# KiCad board panel2.kicad_pcb (continued)
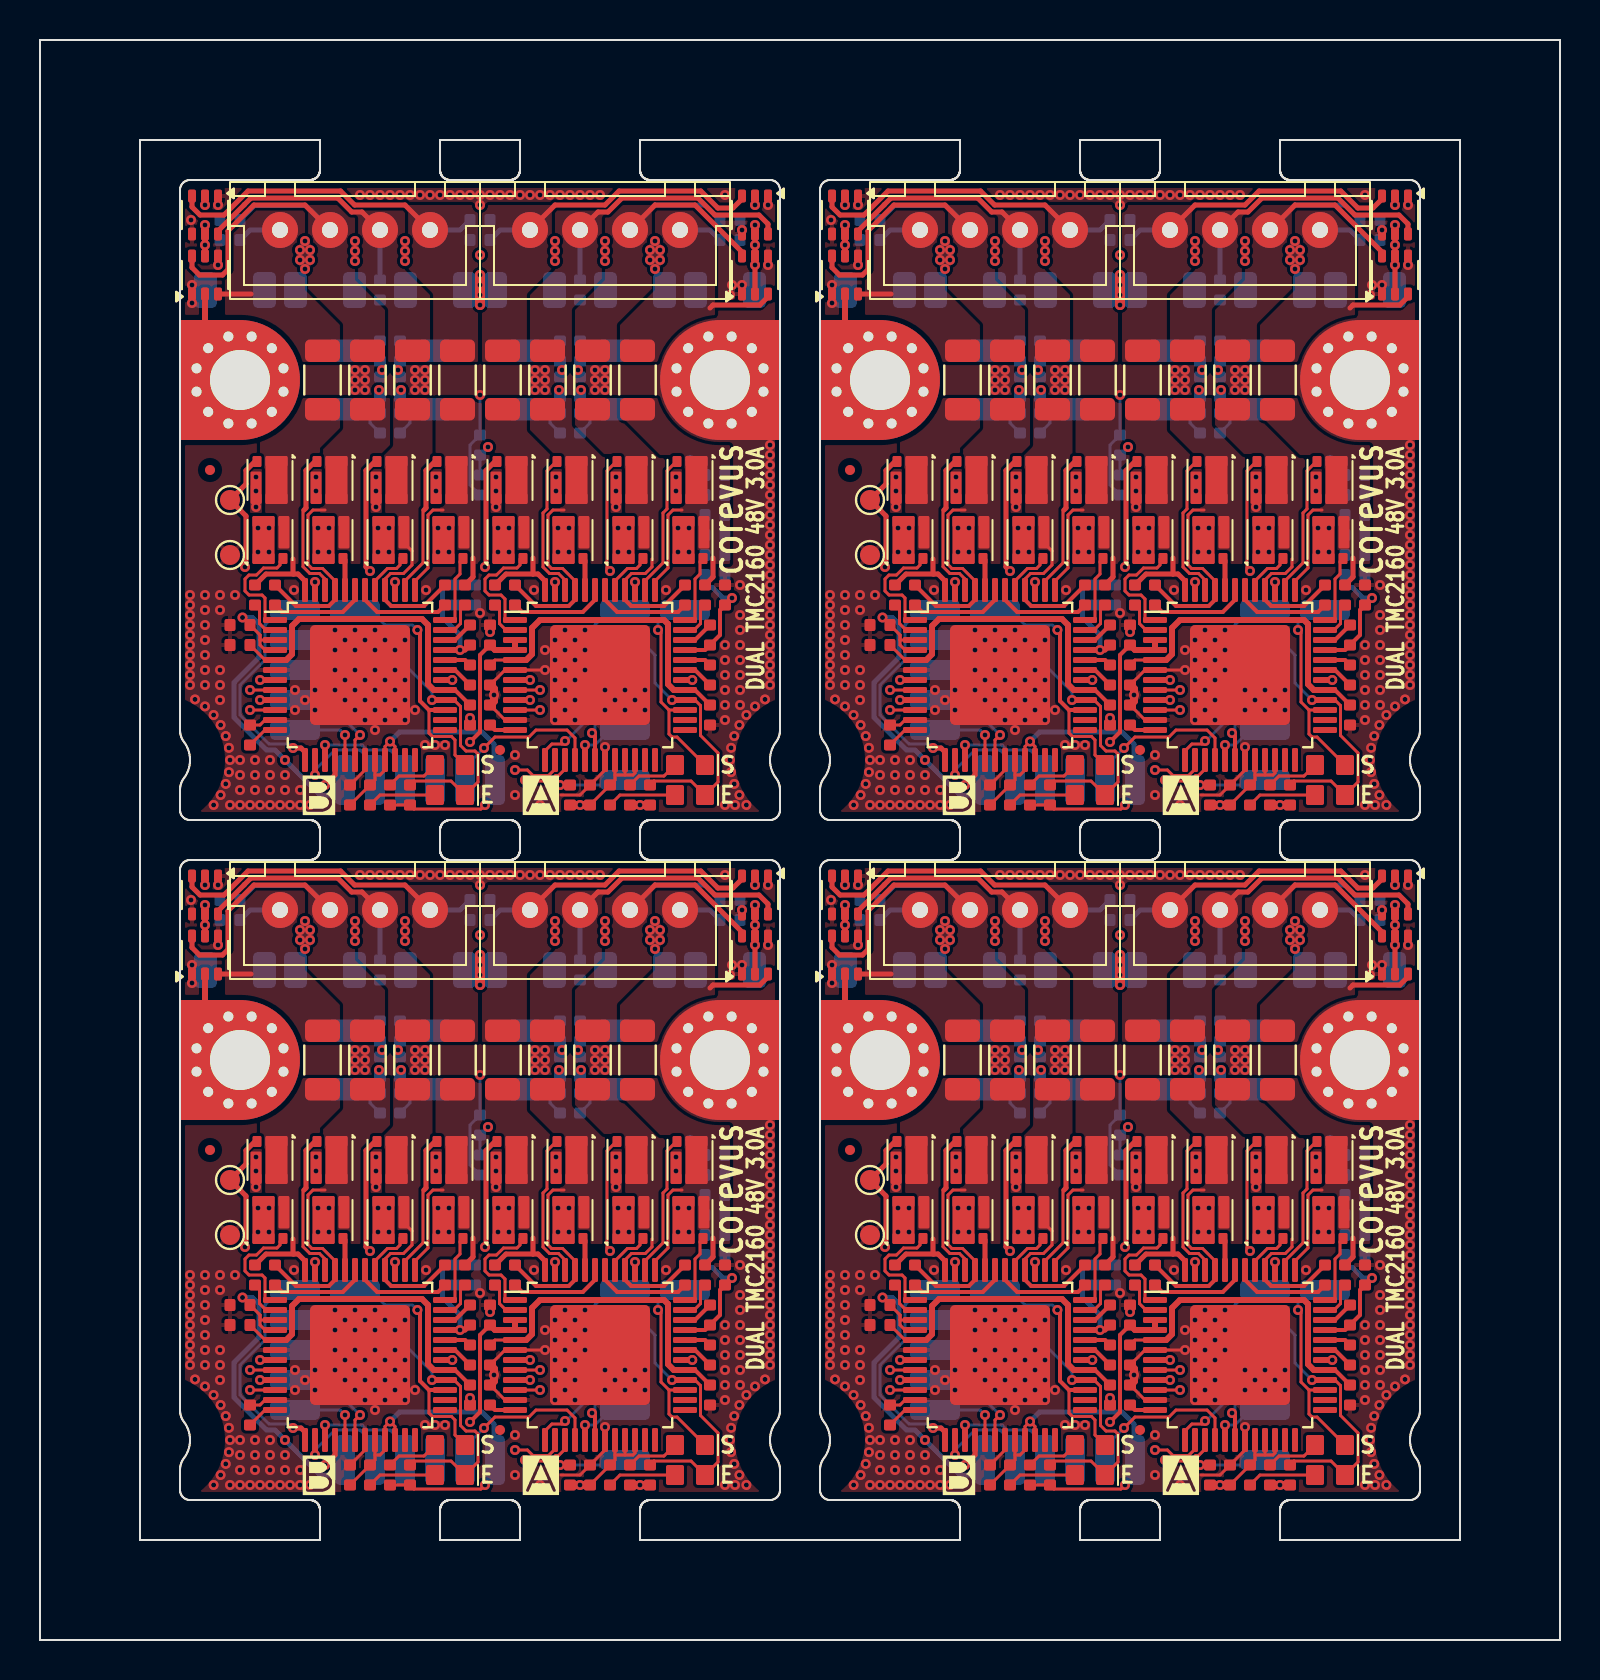
[diagram p0: board, top side]
## Placement (name value [footprint] x y rotation side) (continued)
R7#4  1kΩ  [0402R]  17.5 8.25 90 top
R8  47Ω  [0402R]  26 60.85 90 bottom
R8#2  47Ω  [0402R]  58 60.85 90 bottom
R8#3  47Ω  [0402R]  26 26.85 90 bottom
R8#4  47Ω  [0402R]  58 26.85 90 bottom
R9  47Ω  [0402R]  26 30.45 270 bottom
R9#2  47Ω  [0402R]  58 30.45 270 bottom
R9#3  47Ω  [0402R]  26 64.45 270 bottom
R9#4  47Ω  [0402R]  58 64.45 270 bottom
R10  50mΩ  [R_1206_3216Metric]  24.25 63 90 bottom
R10#2  50mΩ  [R_1206_3216Metric]  24.25 29 90 bottom
R10#3  50mΩ  [R_1206_3216Metric]  56.25 63 90 bottom
R10#4  50mΩ  [R_1206_3216Metric]  56.25 29 90 bottom
R11  47Ω  [0402R]  59 26.85 90 bottom
R11#2  47Ω  [0402R]  27 60.85 90 bottom
R11#3  47Ω  [0402R]  59 60.85 90 bottom
R11#4  47Ω  [0402R]  27 26.85 90 bottom
R12  47Ω  [0402R]  27 64.45 270 bottom
R12#2  47Ω  [0402R]  59 30.45 270 bottom
R12#3  47Ω  [0402R]  59 64.45 270 bottom
R12#4  47Ω  [0402R]  27 30.45 270 bottom
R13  50mΩ  [R_1206_3216Metric]  28.75 63 90 bottom
R13#2  50mΩ  [R_1206_3216Metric]  60.75 29 90 bottom
R13#3  50mΩ  [R_1206_3216Metric]  28.75 29 90 bottom
R13#4  50mΩ  [R_1206_3216Metric]  60.75 63 90 bottom
R14  47Ω  [0402R]  17 26.85 90 bottom
R14#2  47Ω  [0402R]  17 60.85 90 bottom
R14#3  47Ω  [0402R]  49 26.85 90 bottom
R14#4  47Ω  [0402R]  49 60.85 90 bottom
R15  47Ω  [0402R]  49 30.45 270 bottom
R15#2  47Ω  [0402R]  49 64.45 270 bottom
R15#3  47Ω  [0402R]  17 30.45 270 bottom
R15#4  47Ω  [0402R]  17 64.45 270 bottom
R16  1kΩ  [0402R]  61.5 42.25 90 top
R16#2  1kΩ  [0402R]  29.5 8.25 90 top
R16#3  1kΩ  [0402R]  29.5 42.25 90 top
R16#4  1kΩ  [0402R]  61.5 8.25 90 top
R17  50mΩ  [R_1206_3216Metric]  47.25 29 90 bottom
R17#2  50mΩ  [R_1206_3216Metric]  15.25 29 90 bottom
R17#3  50mΩ  [R_1206_3216Metric]  15.25 63 90 bottom
R17#4  50mΩ  [R_1206_3216Metric]  47.25 63 90 bottom
R18  50mΩ  [R_1206_3216Metric]  19.75 63 90 bottom
R18#2  50mΩ  [R_1206_3216Metric]  51.75 29 90 bottom
R18#3  50mΩ  [R_1206_3216Metric]  51.75 63 90 bottom
R18#4  50mΩ  [R_1206_3216Metric]  19.75 29 90 bottom
R19  47Ω  [0402R]  50 26.85 90 bottom
R19#2  47Ω  [0402R]  18 60.85 90 bottom
R19#3  47Ω  [0402R]  18 26.85 90 bottom
R19#4  47Ω  [0402R]  50 60.85 90 bottom
R20  4.7kΩ  [0402R]  58.5 42.25 270 top
R20#2  4.7kΩ  [0402R]  26.5 8.25 270 top
R20#3  4.7kΩ  [0402R]  58.5 8.25 270 top
R20#4  4.7kΩ  [0402R]  26.5 42.25 270 top
R21  47Ω  [0402R]  50 64.45 270 bottom
R21#2  47Ω  [0402R]  18 64.45 270 bottom
R21#3  47Ω  [0402R]  18 30.45 270 bottom
R21#4  47Ω  [0402R]  50 30.45 270 bottom
REF**  -  [BackScrew]  38 44 0 top
REF**#2  -  [BackScrew]  70 44 0 top
REF**#3  -  [BackScrew]  38 10 0 top
REF**#4  -  [BackScrew]  6 44 180 top
REF**#5  -  [BackScrew]  38 10 180 top
REF**#6  -  [BackScrew]  70 10 0 top
REF**#7  -  [BackScrew]  38 44 180 top
REF**#8  -  [BackScrew]  6 10 180 top
T1  DIAG  [LGA_Land_2.5mm]  15.75 17.5 270 bottom
T1#2  DIAG  [LGA_Land_2.5mm]  47.75 51.5 270 bottom
T1#3  DIAG  [LGA_Land_2.5mm]  15.75 51.5 270 bottom
T1#4  DIAG  [LGA_Land_2.5mm]  47.75 17.5 270 bottom
T2  CS0  [LGA_Land_2.5mm]  44.75 17.5 90 bottom
T2#2  CS0  [LGA_Land_2.5mm]  44.75 51.5 90 bottom
T2#3  CS0  [LGA_Land_2.5mm]  12.75 51.5 90 bottom
T2#4  CS0  [LGA_Land_2.5mm]  12.75 17.5 90 bottom
T3  12V  [LGA_Land_2.5mm]  47.25 9 0 bottom
T3#2  12V  [LGA_Land_2.5mm]  15.25 9 0 bottom
T3#3  12V  [LGA_Land_2.5mm]  47.25 43 0 bottom
T3#4  12V  [LGA_Land_2.5mm]  15.25 43 0 bottom
T4  SCK  [LGA_Land_2.5mm]  16.75 43 0 bottom
T4#2  SCK  [LGA_Land_2.5mm]  48.75 43 0 bottom
T4#3  SCK  [LGA_Land_2.5mm]  16.75 9 0 bottom
T4#4  SCK  [LGA_Land_2.5mm]  48.75 9 0 bottom
T5  GND  [LGA_Land_2.5mm]  51.75 43 0 bottom
T5#2  GND  [LGA_Land_2.5mm]  51.75 9 0 bottom
T5#3  GND  [LGA_Land_2.5mm]  19.75 9 0 bottom
T5#4  GND  [LGA_Land_2.5mm]  19.75 43 0 bottom
T6  SDI  [LGA_Land_2.5mm]  50.25 9 0 bottom
T6#2  SDI  [LGA_Land_2.5mm]  18.25 9 0 bottom
T6#3  SDI  [LGA_Land_2.5mm]  50.25 43 0 bottom
T6#4  SDI  [LGA_Land_2.5mm]  18.25 43 0 bottom
T7  SDO  [LGA_Land_2.5mm]  53.25 43 0 bottom
T7#2  SDO  [LGA_Land_2.5mm]  53.25 9 0 bottom
T7#3  SDO  [LGA_Land_2.5mm]  21.25 9 0 bottom
T7#4  SDO  [LGA_Land_2.5mm]  21.25 43 0 bottom
T8  VCC  [LGA_Land_2.5mm]  22.75 9 0 bottom
T8#2  VCC  [LGA_Land_2.5mm]  54.75 9 0 bottom
T8#3  VCC  [LGA_Land_2.5mm]  22.75 43 0 bottom
T8#4  VCC  [LGA_Land_2.5mm]  54.75 43 0 bottom
T9  Therm  [LGA_Land_2.5mm]  61.25 9 90 bottom
T9#2  Therm  [LGA_Land_2.5mm]  29.25 9 90 bottom
T9#3  Therm  [LGA_Land_2.5mm]  61.25 43 90 bottom
T9#4  Therm  [LGA_Land_2.5mm]  29.25 43 90 bottom
T10  CS0  [LGA_Land_2.5mm]  61.25 51.5 90 bottom
T10#2  CS0  [LGA_Land_2.5mm]  29.25 51.5 90 bottom
T10#3  CS0  [LGA_Land_2.5mm]  61.25 17.5 90 bottom
T10#4  CS0  [LGA_Land_2.5mm]  29.25 17.5 90 bottom
T11  STEP  [LGA_Land_2.5mm]  29.25 11.5 90 bottom
T11#2  STEP  [LGA_Land_2.5mm]  29.25 45.5 90 bottom
T11#3  STEP  [LGA_Land_2.5mm]  61.25 45.5 90 bottom
T11#4  STEP  [LGA_Land_2.5mm]  61.25 11.5 90 bottom
T12  GND  [LGA_Land_2.5mm]  29.25 47 90 bottom
T12#2  GND  [LGA_Land_2.5mm]  61.25 47 90 bottom
T12#3  GND  [LGA_Land_2.5mm]  61.25 13 90 bottom
T12#4  GND  [LGA_Land_2.5mm]  29.25 13 90 bottom
T13  DIR  [LGA_Land_2.5mm]  29.25 48.5 90 bottom
T13#2  DIR  [LGA_Land_2.5mm]  61.25 48.5 90 bottom
T13#3  DIR  [LGA_Land_2.5mm]  61.25 14.5 90 bottom
T13#4  DIR  [LGA_Land_2.5mm]  29.25 14.5 90 bottom
T14  EN  [LGA_Land_2.5mm]  61.25 16 90 bottom
T14#2  EN  [LGA_Land_2.5mm]  61.25 50 90 bottom
T14#3  EN  [LGA_Land_2.5mm]  29.25 50 90 bottom
T14#4  EN  [LGA_Land_2.5mm]  29.25 16 90 bottom
T15  STEP  [LGA_Land_2.5mm]  12.75 45.5 90 bottom
T15#2  STEP  [LGA_Land_2.5mm]  12.75 11.5 90 bottom
T15#3  STEP  [LGA_Land_2.5mm]  44.75 11.5 90 bottom
T15#4  STEP  [LGA_Land_2.5mm]  44.75 45.5 90 bottom
T16  GND  [LGA_Land_2.5mm]  44.75 47 90 bottom
T16#2  GND  [LGA_Land_2.5mm]  12.75 13 90 bottom
T16#3  GND  [LGA_Land_2.5mm]  44.75 13 90 bottom
T16#4  GND  [LGA_Land_2.5mm]  12.75 47 90 bottom
T17  DIAG  [LGA_Land_2.5mm]  32.25 51.5 270 bottom
T17#2  DIAG  [LGA_Land_2.5mm]  64.25 51.5 270 bottom
T17#3  DIAG  [LGA_Land_2.5mm]  64.25 17.5 270 bottom
T17#4  DIAG  [LGA_Land_2.5mm]  32.25 17.5 270 bottom
T18  DIR  [LGA_Land_2.5mm]  44.75 14.5 90 bottom
T18#2  DIR  [LGA_Land_2.5mm]  12.75 48.5 90 bottom
T18#3  DIR  [LGA_Land_2.5mm]  44.75 48.5 90 bottom
T18#4  DIR  [LGA_Land_2.5mm]  12.75 14.5 90 bottom
T19  EN  [LGA_Land_2.5mm]  12.75 16 90 bottom
T19#2  EN  [LGA_Land_2.5mm]  12.75 50 90 bottom
T19#3  EN  [LGA_Land_2.5mm]  44.75 50 90 bottom
T19#4  EN  [LGA_Land_2.5mm]  44.75 16 90 bottom
TH1  10kΩ 3950K  [0402R]  22 23.75 270 bottom
TH1#2  10kΩ 3950K  [0402R]  54 23.75 270 bottom
TH1#3  10kΩ 3950K  [0402R]  22 57.75 270 bottom
TH1#4  10kΩ 3950K  [0402R]  54 57.75 270 bottom
TP1  TestPoint  [TestPoint_Pad_D1.0mm]  41.5 20.25 0 top
TP1#2  TestPoint  [TestPoint_Pad_D1.0mm]  9.5 20.25 0 top
TP1#3  TestPoint  [TestPoint_Pad_D1.0mm]  9.5 54.25 0 top
TP1#4  TestPoint  [TestPoint_Pad_D1.0mm]  41.5 54.25 0 top
TP5  TestPoint  [TestPoint_Pad_D1.0mm]  41.5 23 0 top
TP5#2  TestPoint  [TestPoint_Pad_D1.0mm]  9.5 57 0 top
TP5#3  TestPoint  [TestPoint_Pad_D1.0mm]  9.5 23 0 top
TP5#4  TestPoint  [TestPoint_Pad_D1.0mm]  41.5 57 0 top
U1  TMC2160  [TMCx160]  60 14.25 0 top
U1#2  TMC2160  [TMCx160]  60 48.25 0 top
U1#3  TMC2160  [TMCx160]  28 14.25 0 top
U1#4  TMC2160  [TMCx160]  28 48.25 0 top
U2  TMC2160  [TMCx160]  48 14.25 0 top
U2#2  TMC2160  [TMCx160]  48 48.25 0 top
U2#3  TMC2160  [TMCx160]  16 14.25 0 top
U2#4  TMC2160  [TMCx160]  16 48.25 0 top

## Library data of the parts
D3 D3#2-D3#4 D4 D4#2-D4#4 D7 D7#2-D7#4 D8 D8#2-D8#4 = -: Datasheet: https://assets.nexperia.com/documents/data-sheet/BAV99_SER.pdf; Description: High-speed switching diodes, dual series, SOT-363
FB1 FB1#2-FB1#4 FB2 FB2#2-FB2#4 FB3 FB3#2-FB3#4 FB4 FB4#2-FB4#4 FB5 FB5#2-FB5#4 FB6 FB6#2-FB6#4 FB7 FB7#2-FB7#4 FB8 FB8#2-FB8#4 = -: Description: Ferrite bead, small symbol
FID1 FID1#2-FID1#4 FID2 FID2#2-FID2#4 FID3 FID3#2-FID3#4 FID4 FID4#2-FID4#4 = -: Description: Fiducial Marker
J1 J1#2-J1#4 J2 J2#2-J2#4 = -: Description: Generic connector, single row, 01x04, script generated (kicad-library-utils/schlib/autogen/connector/)
NT1 NT1#2-NT1#4 NT2 NT2#2-NT2#4 NT3 NT3#2-NT3#4 NT4 NT4#2-NT4#4 NT5 NT5#2-NT5#4 NT6 NT6#2-NT6#4 NT7 NT7#2-NT7#4 NT8 NT8#2-NT8#4 = -: Description: Net tie, 2 pins
Q1 Q1#2-Q1#4 Q2 Q2#2-Q2#4 Q3 Q3#2-Q3#4 Q4 Q4#2-Q4#4 Q5 Q5#2-Q5#4 Q6 Q6#2-Q6#4 Q7 Q7#2-Q7#4 Q8 Q8#2-Q8#4 Q9 Q9#2-Q9#4 Q10 Q10#2-Q10#4 Q11 Q11#2-Q11#4 Q12 Q12#2-Q12#4 Q13 Q13#2-Q13#4 Q14 Q14#2-Q14#4 Q15 Q15#2-Q15#4 Q16 Q16#2-Q16#4 = -: Datasheet: https://lcsc.com/product-detail/MOSFET_Diodes-Incorporated-DMT6016LFDF-7_C460205.html; Description: 60V N-channel Enhancement Mode MOSFET, 8.9A Id; LCSC Part: C460205
U1 U1#2-U1#4 U2 U2#2-U2#4 = -: Datasheet: https://www.trinamic.com/fileadmin/assets/Products/ICs_Documents/TMC2160A-datasheet_Rev1.06.pdf

## Footprints (pads in the part's own frame, mm; a bottom-side part is the same pattern mirrored in y, then rotated)
0402C
  rrect 0.55x0.6 smd: 1(-0.5,0) 2(0.5,0)
0402R
  rrect 0.55x0.6 smd: 1(-0.5,0) 2(0.5,0)
0603LED
  rrect 0.9x1 smd: 1(-0.75,0) 2(0.75,0)
C_1206_3216Metric
  rrect 1.15x1.8 smd: 1(-1.475,0) 2(1.475,0)
DMT6016LFDF
  rrect 0.45x0.55 smd: 1(-0.65,-0.925) 2(0,-0.925) 3(0.65,-0.925) 4(0.65,0.925) 5(0,0.925) 6(-0.65,0.925)
  rrect 0.55x1.625 smd: 7(0.7,0.388)
  rrect 1.1x2.4 smd: 8(-0.325,0)
Fiducial_0.5mm_Mask1mm
  round 0.5 smd: (0,0)
JST_XH_1x04
  oval 1.8x1.8 hole 0.8: 1(-3.75,0) 2(-1.25,0) 3(1.25,0) 4(3.75,0)
LGA_Land_2.5mm
  rrect 1x2.5 smd: 1(0,0)
MountingHole_M3_Driver_1
  round 0.8 hole 0.5: 1(-2.173,0.582) 1(-2.173,-0.582) 1(-1.591,1.591) 1(-1.591,-1.591) 1(-0.582,2.173) 1(-0.582,-2.173) 1(0.582,2.173) 1(0.582,-2.173) 1(1.591,1.591) 1(1.591,-1.591) 1(2.173,0.582) 1(2.173,-0.582)
  custom 6x6 hole 3: 1(0,0)
NetTie-2_SMD_Pad0.15mm
  custom 0.2x0.15 smd: 1(-0.125,0) 2(0.125,0)
R_1206_3216Metric
  rrect 1.125x1.75 smd: 1(-1.462,0) 2(1.462,0)
SOT-363_SC-70-6
  rrect 0.65x0.4 smd: 1(-0.95,0.65) 2(-0.95,0) 3(-0.95,-0.65) 4(0.95,-0.65) 5(0.95,0) 6(0.95,0.65)
TestPoint_Pad_D1.0mm
  round 1 smd: 1(0,0)
TMCx160
  custom 1.008x1.008 smd: (-1.688,1.688) (-1.688,0.562) (-1.688,-0.562) (-1.688,-1.688) (-0.562,1.688) (-0.562,0.562) (-0.562,-0.562) (-0.562,-1.688) (0.562,1.688) (0.562,0.562) (0.562,-0.562) (0.562,-1.688) (1.688,1.688) (1.688,0.562) (1.688,-0.562) (1.688,-1.688)
  rrect 1.2x0.3 smd: 1(-4.25,2.75) 2(-4.25,2.25) 3(-4.25,1.75) 4(-4.25,1.25) 5(-4.25,0.75) 6(-4.25,0.25) 7(-4.25,-0.25) 8(-4.25,-0.75) 9(-4.25,-1.25) 10(-4.25,-1.75) 11(-4.25,-2.25) 12(-4.25,-2.75) 25(4.25,-2.75) 26(4.25,-2.25) 27(4.25,-1.75) 28(4.25,-1.25) 29(4.25,-0.75) 30(4.25,-0.25) 31(4.25,0.25) 32(4.25,0.75) 33(4.25,1.25) 34(4.25,1.75) 35(4.25,2.25) 36(4.25,2.75)
  rrect 0.3x1.2 smd: 13(-2.75,-4.25) 14(-2.25,-4.25) 15(-1.75,-4.25) 16(-1.25,-4.25) 17(-0.75,-4.25) 18(-0.25,-4.25) 19(0.25,-4.25) 20(0.75,-4.25) 21(1.25,-4.25) 22(1.75,-4.25) 23(2.25,-4.25) 24(2.75,-4.25) 37(2.75,4.25) 38(2.25,4.25) 39(1.75,4.25) 40(1.25,4.25) 41(0.75,4.25) 42(0.25,4.25) 43(-0.25,4.25) 44(-0.75,4.25) 45(-1.25,4.25) 46(-1.75,4.25) 47(-2.25,4.25) 48(-2.75,4.25)
  rrect 5x5 smd: 49(0,0)

## Nets
Board_0-+12V: C6#2.1 C27#2.1 T3#4.1 U1#4.3 U1#4.4 U2#4.3 U2#4.4
Board_0-+48V: C1#4.2 C7#3.1 C12#3.1 C14.1 C15#2.1 C22.2 C28#3.1 C38.1 C39#4.1 C40#3.1 C42#4.1 C43#3.1 C44#4.1 C45#4.1 C46#2.1 C47#4.1 C48#4.1 C49.1 C50#4.1 D3#4.2 D3#4.5 D4#3.2 D4#3.5 D7.2 D7.5 D8#4.2 D8#4.5 H1#2.1 Q1#4.1 Q1#4.2 Q1#4.5 Q1#4.6 Q1#4.8 Q3.1 Q3.2 Q3.5 Q3.6 Q3.8 Q5#4.1 Q5#4.2 Q5#4.5 Q5#4.6 Q5#4.8 Q7#4.1 Q7#4.2 Q7#4.5 Q7#4.6 Q7#4.8 Q9#4.1 Q9#4.2 Q9#4.5 Q9#4.6 Q9#4.8 Q11.1 Q11.2 Q11.5 Q11.6 Q11.8 Q13#2.1 Q13#2.2 Q13#2.5 Q13#2.6 Q13#2.8 Q15#2.1 Q15#2.2 Q15#2.5 Q15#2.6 Q15#2.8 U1#4.33 U2#4.33
Board_0-/_{MA}A1: C10#3.2 FB2#4.2 Q5#4.4 Q5#4.7 Q6#4.1 Q6#4.2 Q6#4.5 Q6#4.6 Q6#4.8 U1#4.40
Board_0-/_{MA}A1': C17.2 D4#3.6 FB2#4.1 J1.3
Board_0-/_{MA}A2: C11.2 FB1#3.2 Q7#4.4 Q7#4.7 Q8#2.1 Q8#2.2 Q8#2.5 Q8#2.6 Q8#2.8 U1#4.37
Board_0-/_{MA}A2': C16#2.2 D4#3.3 FB1#3.1 J1.4
Board_0-/_{MA}B1: C8.2 FB4#3.2 Q1#4.4 Q1#4.7 Q2#4.1 Q2#4.2 Q2#4.5 Q2#4.6 Q2#4.8 U1#4.48
Board_0-/_{MA}B1': C19#3.2 D3#4.3 FB4#3.1 J1.1
Board_0-/_{MA}B2: C9#3.2 FB3#3.2 Q3.4 Q3.7 Q4#3.1 Q4#3.2 Q4#3.5 Q4#3.6 Q4#3.8 U1#4.45
Board_0-/_{MA}B2': C18#4.2 D3#4.6 FB3#3.1 J1.2
Board_0-/_{MA}Dir: T13.1 U1#4.18
Board_0-/_{MA}HA1: Q5#4.3 U1#4.41
Board_0-/_{MA}HA2: Q7#4.3 U1#4.36
Board_0-/_{MA}HB1: Q1#4.3 U1#4.1
Board_0-/_{MA}HB2: Q3.3 U1#4.44
Board_0-/_{MA}LA1: Q6#4.3 U1#4.39
Board_0-/_{MA}LA2: Q8#2.3 U1#4.38
Board_0-/_{MA}LB1: Q2#4.3 U1#4.47
Board_0-/_{MA}LB2: Q4#3.3 U1#4.46
Board_0-/_{MA}SRAH: C21.2 R11#2.2 U1#4.8
Board_0-/_{MA}SRAL: C21.1 R12.2 U1#4.7
Board_0-/_{MA}SRBH: C20#2.2 R8.2 U1#4.9
Board_0-/_{MA}SRBL: C20#2.1 R9#3.2 U1#4.10
Board_0-/_{MA}Stall: D2#3.1 T17.1 U1#4.27
Board_0-/_{MA}Step: T11#2.1 U1#4.17
Board_0-/_{MA}~{CS}: T10#2.1 U1#4.13
Board_0-/_{MA}~{En}: D1#4.1 R2#3.2 T14#3.1 U1#4.28
Board_0-/_{MB}A1: C31#3.2 FB6#3.2 Q13#2.4 Q13#2.7 Q14.1 Q14.2 Q14.5 Q14.6 Q14.8 U2#4.40
Board_0-/_{MB}A1': C35.2 D7.6 FB6#3.1 J2#2.3
Board_0-/_{MB}A2: C32#4.2 FB5#4.2 Q15#2.4 Q15#2.7 Q16#3.1 Q16#3.2 Q16#3.5 Q16#3.6 Q16#3.8 U2#4.37
Board_0-/_{MB}A2': C34#4.2 D7.3 FB5#4.1 J2#2.4
Board_0-/_{MB}B1: C29#4.2 FB8.2 Q9#4.4 Q9#4.7 Q10.1 Q10.2 Q10.5 Q10.6 Q10.8 U2#4.48
Board_0-/_{MB}B1': C37.2 D8#4.3 FB8.1 J2#2.1
Board_0-/_{MB}B2: C30#2.2 FB7#2.2 Q11.4 Q11.7 Q12#4.1 Q12#4.2 Q12#4.5 Q12#4.6 Q12#4.8 U2#4.45
Board_0-/_{MB}B2': C36.2 D8#4.6 FB7#2.1 J2#2.2
Board_0-/_{MB}Dir: T18#2.1 U2#4.18
Board_0-/_{MB}HA1: Q13#2.3 U2#4.41
Board_0-/_{MB}HA2: Q15#2.3 U2#4.36
Board_0-/_{MB}HB1: Q9#4.3 U2#4.1
Board_0-/_{MB}HB2: Q11.3 U2#4.44
Board_0-/_{MB}LA1: Q14.3 U2#4.39
Board_0-/_{MB}LA2: Q16#3.3 U2#4.38
Board_0-/_{MB}LB1: Q10.3 TP5#2.1 U2#4.47
Board_0-/_{MB}LB2: Q12#4.3 U2#4.46
Board_0-/_{MB}SRAH: C41#2.2 R19#2.2 U2#4.8
Board_0-/_{MB}SRAL: C41#2.1 R21#2.2 U2#4.7
Board_0-/_{MB}SRBH: C33#4.2 R14#2.2 U2#4.9
Board_0-/_{MB}SRBL: C33#4.1 R15#4.2 U2#4.10
Board_0-/_{MB}Stall: D6#3.1 T1#3.1 U2#4.27
Board_0-/_{MB}Step: T15.1 U2#4.17
Board_0-/_{MB}~{CS}: T2#3.1 U2#4.13
Board_0-/_{MB}~{En}: D5.1 R4.2 T19#2.1 U2#4.28
Board_0-/SCK: T4.1 U1#4.14 U2#4.14
Board_0-/SDI: T6#4.1 U1#4.15 U2#4.15
Board_0-/SDO: T7#4.1 U1#4.16 U2#4.16
Board_0-/THERM: C13#3.1 R20#4.1 T9#4.1 TH1#3.1
Board_0-GND: C3#2.1 C4#3.1 C5.1 C6#2.2 C7#3.2 C12#3.2 C13#3.2 C14.2 C15#2.2 C16#2.1 C17.1 C18#4.1 C19#3.1 C24.1 C25#2.1 C26#4.1 C27#2.2 C28#3.2 C34#4.1 C35.1 C36.1 C37.1 C38.2 C39#4.2 C40#3.2 C42#4.2 C43#3.2 C44#4.2 C45#4.2 C46#2.2 C47#4.2 C48#4.2 C49.2 C50#4.2 D3#4.1 D3#4.4 D4#3.1 D4#3.4 D7.1 D7.4 D8#4.1 D8#4.4 H2#2.1 NT2#3.2 NT4#2.1 NT6.2 NT8.1 R3#3.2 R5#4.2 R10.2 R13.2 R17#3.2 R18.2 T5#4.1 T12.1 T16#4.1 TH1#3.2 TP1#3.1 U1#4.6 U1#4.11 U1#4.19 U1#4.30 U1#4.49 U2#4.6 U2#4.11 U2#4.19 U2#4.30 U2#4.49
Board_0-Net-(D1-A): D1#4.2 R1#4.2
Board_0-Net-(D2-A): D2#3.2 R16#3.2
Board_0-Net-(D5-A): D5.2 R6#3.2
Board_0-Net-(D6-A): D6#3.2 R7#2.2
Board_0-Net-(NT1-Pad1): NT1#4.1 R8.1
Board_0-Net-(NT1-Pad2): NT1#4.2 Q2#4.4 Q2#4.7 Q4#3.4 Q4#3.7 R10.1
Board_0-Net-(NT2-Pad1): NT2#3.1 R9#3.1
Board_0-Net-(NT3-Pad1): NT3.1 Q6#4.4 Q6#4.7 Q8#2.4 Q8#2.7 R13.1
Board_0-Net-(NT3-Pad2): NT3.2 R11#2.1
Board_0-Net-(NT4-Pad2): NT4#2.2 R12.1
Board_0-Net-(NT5-Pad1): NT5#2.1 R14#2.1
Board_0-Net-(NT5-Pad2): NT5#2.2 Q10.4 Q10.7 Q12#4.4 Q12#4.7 R17#3.1
Board_0-Net-(NT6-Pad1): NT6.1 R15#4.1
Board_0-Net-(NT7-Pad1): NT7#4.1 Q14.4 Q14.7 Q16#3.4 Q16#3.7 R18.1
Board_0-Net-(NT7-Pad2): NT7#4.2 R19#2.1
Board_0-Net-(NT8-Pad2): NT8.2 R21#2.1
Board_0-Net-(U1-5VOUT): C4#3.2 C5.2 U1#4.5 U1#4.29
Board_0-Net-(U1-CA1): C10#3.1 U1#4.42
Board_0-Net-(U1-CA2): C11.1 U1#4.35
Board_0-Net-(U1-CB1): C8.1 U1#4.2
Board_0-Net-(U1-CB2): C9#3.1 U1#4.43
Board_0-Net-(U1-CLK): R3#3.1 U1#4.12
Board_0-Net-(U1-CPI): C2#2.2 U1#4.32
Board_0-Net-(U1-CPO): C2#2.1 U1#4.31
Board_0-Net-(U1-VCP): C1#4.1 U1#4.34
Board_0-Net-(U2-5VOUT): C24.2 C25#2.2 U2#4.5 U2#4.29
Board_0-Net-(U2-CA1): C31#3.1 U2#4.42
Board_0-Net-(U2-CA2): C32#4.1 U2#4.35
Board_0-Net-(U2-CB1): C29#4.1 U2#4.2
Board_0-Net-(U2-CB2): C30#2.1 U2#4.43
Board_0-Net-(U2-CLK): R5#4.1 U2#4.12
Board_0-Net-(U2-CPI): C23.2 U2#4.32
Board_0-Net-(U2-CPO): C23.1 U2#4.31
Board_0-Net-(U2-VCP): C22.1 U2#4.34
Board_0-unconnected-(U1-DCEN_CFG4-Pad23): U1#4.23
Board_0-unconnected-(U1-DCIN_CFG5-Pad24): U1#4.24
Board_0-unconnected-(U1-DCO_CFG6-Pad25): U1#4.25
Board_0-unconnected-(U1-DIAG0-Pad26): U1#4.26
Board_0-unconnected-(U2-DCEN_CFG4-Pad23): U2#4.23
Board_0-unconnected-(U2-DCIN_CFG5-Pad24): U2#4.24
Board_0-unconnected-(U2-DCO_CFG6-Pad25): U2#4.25
Board_0-unconnected-(U2-DIAG0-Pad26): U2#4.26
Board_0-VCC: C3#2.2 C26#4.2 R1#4.1 R2#3.1 R4.1 R6#3.1 R7#2.1 R16#3.1 R20#4.2 T8#3.1 U1#4.20 U1#4.21 U1#4.22 U2#4.20 U2#4.21 U2#4.22
Board_1-+12V: C6#4.1 C27#4.1 T3#3.1 U1#2.3 U1#2.4 U2#2.3 U2#2.4
Board_1-+48V: C1.2 C7#4.1 C12#2.1 C14#2.1 C15#4.1 C22#2.2 C28#2.1 C38#2.1 C39#3.1 C40.1 C42.1 C43.1 C44#3.1 C45.1 C46#4.1 C47#3.1 C48.1 C49#2.1 C50#2.1 D3#2.2 D3#2.5 D4.2 D4.5 D7#3.2 D7#3.5 D8.2 D8.5 H1#3.1 Q1.1 Q1.2 Q1.5 Q1.6 Q1.8 Q3#4.1 Q3#4.2 Q3#4.5 Q3#4.6 Q3#4.8 Q5#2.1 Q5#2.2 Q5#2.5 Q5#2.6 Q5#2.8 Q7.1 Q7.2 Q7.5 Q7.6 Q7.8 Q9#3.1 Q9#3.2 Q9#3.5 Q9#3.6 Q9#3.8 Q11#4.1 Q11#4.2 Q11#4.5 Q11#4.6 Q11#4.8 Q13#3.1 Q13#3.2 Q13#3.5 Q13#3.6 Q13#3.8 Q15#4.1 Q15#4.2 Q15#4.5 Q15#4.6 Q15#4.8 U1#2.33 U2#2.33
Board_1-/_{MA}A1: C10.2 FB2#2.2 Q5#2.4 Q5#2.7 Q6#3.1 Q6#3.2 Q6#3.5 Q6#3.6 Q6#3.8 U1#2.40
Board_1-/_{MA}A1': C17#3.2 D4.6 FB2#2.1 J1#3.3
Board_1-/_{MA}A2: C11#2.2 FB1#2.2 Q7.4 Q7.7 Q8.1 Q8.2 Q8.5 Q8.6 Q8.8 U1#2.37
Board_1-/_{MA}A2': C16.2 D4.3 FB1#2.1 J1#3.4
Board_1-/_{MA}B1: C8#3.2 FB4.2 Q1.4 Q1.7 Q2#3.1 Q2#3.2 Q2#3.5 Q2#3.6 Q2#3.8 U1#2.48
Board_1-/_{MA}B1': C19.2 D3#2.3 FB4.1 J1#3.1
Board_1-/_{MA}B2: C9.2 FB3#2.2 Q3#4.4 Q3#4.7 Q4#4.1 Q4#4.2 Q4#4.5 Q4#4.6 Q4#4.8 U1#2.45
Board_1-/_{MA}B2': C18#3.2 D3#2.6 FB3#2.1 J1#3.2
Board_1-/_{MA}Dir: T13#2.1 U1#2.18
Board_1-/_{MA}HA1: Q5#2.3 U1#2.41
Board_1-/_{MA}HA2: Q7.3 U1#2.36
Board_1-/_{MA}HB1: Q1.3 U1#2.1
Board_1-/_{MA}HB2: Q3#4.3 U1#2.44
Board_1-/_{MA}LA1: Q6#3.3 U1#2.39
Board_1-/_{MA}LA2: Q8.3 U1#2.38
Board_1-/_{MA}LB1: Q2#3.3 U1#2.47
Board_1-/_{MA}LB2: Q4#4.3 U1#2.46
Board_1-/_{MA}SRAH: C21#2.2 R11#3.2 U1#2.8
Board_1-/_{MA}SRAL: C21#2.1 R12#3.2 U1#2.7
Board_1-/_{MA}SRBH: C20#4.2 R8#2.2 U1#2.9
Board_1-/_{MA}SRBL: C20#4.1 R9#4.2 U1#2.10
Board_1-/_{MA}Stall: D2.1 T17#2.1 U1#2.27
Board_1-/_{MA}Step: T11#3.1 U1#2.17
Board_1-/_{MA}~{CS}: T10.1 U1#2.13
Board_1-/_{MA}~{En}: D1#2.1 R2#2.2 T14#2.1 U1#2.28
Board_1-/_{MB}A1: C31#4.2 FB6#4.2 Q13#3.4 Q13#3.7 Q14#2.1 Q14#2.2 Q14#2.5 Q14#2.6 Q14#2.8 U2#2.40
Board_1-/_{MB}A1': C35#3.2 D7#3.6 FB6#4.1 J2.3
Board_1-/_{MB}A2: C32.2 FB5#3.2 Q15#4.4 Q15#4.7 Q16#4.1 Q16#4.2 Q16#4.5 Q16#4.6 Q16#4.8 U2#2.37
Board_1-/_{MB}A2': C34#2.2 D7#3.3 FB5#3.1 J2.4
Board_1-/_{MB}B1: C29.2 FB8#4.2 Q9#3.4 Q9#3.7 Q10#3.1 Q10#3.2 Q10#3.5 Q10#3.6 Q10#3.8 U2#2.48
Board_1-/_{MB}B1': C37#3.2 D8.3 FB8#4.1 J2.1
Board_1-/_{MB}B2: C30#3.2 FB7.2 Q11#4.4 Q11#4.7 Q12.1 Q12.2 Q12.5 Q12.6 Q12.8 U2#2.45
Board_1-/_{MB}B2': C36#3.2 D8.6 FB7.1 J2.2
Board_1-/_{MB}Dir: T18#3.1 U2#2.18
Board_1-/_{MB}HA1: Q13#3.3 U2#2.41
Board_1-/_{MB}HA2: Q15#4.3 U2#2.36
Board_1-/_{MB}HB1: Q9#3.3 U2#2.1
Board_1-/_{MB}HB2: Q11#4.3 U2#2.44
Board_1-/_{MB}LA1: Q14#2.3 U2#2.39
Board_1-/_{MB}LA2: Q16#4.3 U2#2.38
Board_1-/_{MB}LB1: Q10#3.3 TP5#4.1 U2#2.47
Board_1-/_{MB}LB2: Q12.3 U2#2.46
Board_1-/_{MB}SRAH: C41#4.2 R19#4.2 U2#2.8
Board_1-/_{MB}SRAL: C41#4.1 R21.2 U2#2.7
Board_1-/_{MB}SRBH: C33#3.2 R14#4.2 U2#2.9
Board_1-/_{MB}SRBL: C33#3.1 R15#2.2 U2#2.10
Board_1-/_{MB}Stall: D6#4.1 T1#2.1 U2#2.27
Board_1-/_{MB}Step: T15#4.1 U2#2.17
Board_1-/_{MB}~{CS}: T2#2.1 U2#2.13
Board_1-/_{MB}~{En}: D5#4.1 R4#3.2 T19#3.1 U2#2.28
Board_1-/SCK: T4#2.1 U1#2.14 U2#2.14
Board_1-/SDI: T6#3.1 U1#2.15 U2#2.15
Board_1-/SDO: T7.1 U1#2.16 U2#2.16
Board_1-/THERM: C13#4.1 R20.1 T9#3.1 TH1#4.1
Board_1-GND: C3.1 C4.1 C5#3.1 C6#4.2 C7#4.2 C12#2.2 C13#4.2 C14#2.2 C15#4.2 C16.1 C17#3.1 C18#3.1 C19.1 C24#3.1 C25#3.1 C26#2.1 C27#4.2 C28#2.2 C34#2.1 C35#3.1 C36#3.1 C37#3.1 C38#2.2 C39#3.2 C40.2 C42.2 C43.2 C44#3.2 C45.2 C46#4.2 C47#3.2 C48.2 C49#2.2 C50#2.2 D3#2.1 D3#2.4 D4.1 D4.4 D7#3.1 D7#3.4 D8.1 D8.4 H2#3.1 NT2#2.2 NT4#3.1 NT6#4.2 NT8#3.1 R3.2 R5#2.2 R10#3.2 R13#4.2 R17#4.2 R18#3.2 T5.1 T12#2.1 T16.1 TH1#4.2 TP1#4.1 U1#2.6 U1#2.11 U1#2.19 U1#2.30 U1#2.49 U2#2.6 U2#2.11 U2#2.19 U2#2.30 U2#2.49
Board_1-Net-(D1-A): D1#2.2 R1#2.2
Board_1-Net-(D2-A): D2.2 R16.2
Board_1-Net-(D5-A): D5#4.2 R6#2.2
Board_1-Net-(D6-A): D6#4.2 R7#3.2
Board_1-Net-(NT1-Pad1): NT1#3.1 R8#2.1
Board_1-Net-(NT1-Pad2): NT1#3.2 Q2#3.4 Q2#3.7 Q4#4.4 Q4#4.7 R10#3.1
Board_1-Net-(NT2-Pad1): NT2#2.1 R9#4.1
Board_1-Net-(NT3-Pad1): NT3#4.1 Q6#3.4 Q6#3.7 Q8.4 Q8.7 R13#4.1
Board_1-Net-(NT3-Pad2): NT3#4.2 R11#3.1
Board_1-Net-(NT4-Pad2): NT4#3.2 R12#3.1
Board_1-Net-(NT5-Pad1): NT5#4.1 R14#4.1
Board_1-Net-(NT5-Pad2): NT5#4.2 Q10#3.4 Q10#3.7 Q12.4 Q12.7 R17#4.1
Board_1-Net-(NT6-Pad1): NT6#4.1 R15#2.1
Board_1-Net-(NT7-Pad1): NT7.1 Q14#2.4 Q14#2.7 Q16#4.4 Q16#4.7 R18#3.1
Board_1-Net-(NT7-Pad2): NT7.2 R19#4.1
Board_1-Net-(NT8-Pad2): NT8#3.2 R21.1
Board_1-Net-(U1-5VOUT): C4.2 C5#3.2 U1#2.5 U1#2.29
Board_1-Net-(U1-CA1): C10.1 U1#2.42
Board_1-Net-(U1-CA2): C11#2.1 U1#2.35
Board_1-Net-(U1-CB1): C8#3.1 U1#2.2
Board_1-Net-(U1-CB2): C9.1 U1#2.43
Board_1-Net-(U1-CLK): R3.1 U1#2.12
Board_1-Net-(U1-CPI): C2#3.2 U1#2.32
Board_1-Net-(U1-CPO): C2#3.1 U1#2.31
Board_1-Net-(U1-VCP): C1.1 U1#2.34
Board_1-Net-(U2-5VOUT): C24#3.2 C25#3.2 U2#2.5 U2#2.29
Board_1-Net-(U2-CA1): C31#4.1 U2#2.42
Board_1-Net-(U2-CA2): C32.1 U2#2.35
Board_1-Net-(U2-CB1): C29.1 U2#2.2
Board_1-Net-(U2-CB2): C30#3.1 U2#2.43
Board_1-Net-(U2-CLK): R5#2.1 U2#2.12
Board_1-Net-(U2-CPI): C23#3.2 U2#2.32
Board_1-Net-(U2-CPO): C23#3.1 U2#2.31
Board_1-Net-(U2-VCP): C22#2.1 U2#2.34
Board_1-unconnected-(U1-DCEN_CFG4-Pad23): U1#2.23
Board_1-unconnected-(U1-DCIN_CFG5-Pad24): U1#2.24
Board_1-unconnected-(U1-DCO_CFG6-Pad25): U1#2.25
Board_1-unconnected-(U1-DIAG0-Pad26): U1#2.26
Board_1-unconnected-(U2-DCEN_CFG4-Pad23): U2#2.23
Board_1-unconnected-(U2-DCIN_CFG5-Pad24): U2#2.24
Board_1-unconnected-(U2-DCO_CFG6-Pad25): U2#2.25
Board_1-unconnected-(U2-DIAG0-Pad26): U2#2.26
Board_1-VCC: C3.2 C26#2.2 R1#2.1 R2#2.1 R4#3.1 R6#2.1 R7#3.1 R16.1 R20.2 T8#4.1 U1#2.20 U1#2.21 U1#2.22 U2#2.20 U2#2.21 U2#2.22
Board_2-+12V: C6.1 C27#3.1 T3#2.1 U1#3.3 U1#3.4 U2#3.3 U2#3.4
Board_2-+48V: C1#2.2 C7.1 C12.1 C14#4.1 C15#3.1 C22#3.2 C28#4.1 C38#4.1 C39#2.1 C40#4.1 C42#2.1 C43#2.1 C44#2.1 C45#3.1 C46#3.1 C47.1 C48#2.1 C49#4.1 C50.1 D3.2 D3.5 D4#2.2 D4#2.5 D7#2.2 D7#2.5 D8#2.2 D8#2.5 H1#4.1 Q1#2.1 Q1#2.2 Q1#2.5 Q1#2.6 Q1#2.8 Q3#3.1 Q3#3.2 Q3#3.5 Q3#3.6 Q3#3.8 Q5.1 Q5.2 Q5.5 Q5.6 Q5.8 Q7#2.1 Q7#2.2 Q7#2.5 Q7#2.6 Q7#2.8 Q9.1 Q9.2 Q9.5 Q9.6 Q9.8 Q11#2.1 Q11#2.2 Q11#2.5 Q11#2.6 Q11#2.8 Q13#4.1 Q13#4.2 Q13#4.5 Q13#4.6 Q13#4.8 Q15#3.1 Q15#3.2 Q15#3.5 Q15#3.6 Q15#3.8 U1#3.33 U2#3.33
Board_2-/_{MA}A1: C10#4.2 FB2.2 Q5.4 Q5.7 Q6#2.1 Q6#2.2 Q6#2.5 Q6#2.6 Q6#2.8 U1#3.40
Board_2-/_{MA}A1': C17#2.2 D4#2.6 FB2.1 J1#2.3
Board_2-/_{MA}A2: C11#3.2 FB1#4.2 Q7#2.4 Q7#2.7 Q8#4.1 Q8#4.2 Q8#4.5 Q8#4.6 Q8#4.8 U1#3.37
Board_2-/_{MA}A2': C16#4.2 D4#2.3 FB1#4.1 J1#2.4
Board_2-/_{MA}B1: C8#2.2 FB4#4.2 Q1#2.4 Q1#2.7 Q2#2.1 Q2#2.2 Q2#2.5 Q2#2.6 Q2#2.8 U1#3.48
Board_2-/_{MA}B1': C19#4.2 D3.3 FB4#4.1 J1#2.1
Board_2-/_{MA}B2: C9#4.2 FB3.2 Q3#3.4 Q3#3.7 Q4.1 Q4.2 Q4.5 Q4.6 Q4.8 U1#3.45
Board_2-/_{MA}B2': C18#2.2 D3.6 FB3.1 J1#2.2
Board_2-/_{MA}Dir: T13#4.1 U1#3.18
Board_2-/_{MA}HA1: Q5.3 U1#3.41
Board_2-/_{MA}HA2: Q7#2.3 U1#3.36
Board_2-/_{MA}HB1: Q1#2.3 U1#3.1
Board_2-/_{MA}HB2: Q3#3.3 U1#3.44
Board_2-/_{MA}LA1: Q6#2.3 U1#3.39
Board_2-/_{MA}LA2: Q8#4.3 U1#3.38
Board_2-/_{MA}LB1: Q2#2.3 U1#3.47
Board_2-/_{MA}LB2: Q4.3 U1#3.46
Board_2-/_{MA}SRAH: C21#4.2 R11#4.2 U1#3.8
Board_2-/_{MA}SRAL: C21#4.1 R12#4.2 U1#3.7
Board_2-/_{MA}SRBH: C20.2 R8#3.2 U1#3.9
Board_2-/_{MA}SRBL: C20.1 R9.2 U1#3.10
Board_2-/_{MA}Stall: D2#2.1 T17#4.1 U1#3.27
Board_2-/_{MA}Step: T11.1 U1#3.17
Board_2-/_{MA}~{CS}: T10#4.1 U1#3.13
Board_2-/_{MA}~{En}: D1#3.1 R2.2 T14#4.1 U1#3.28
Board_2-/_{MB}A1: C31.2 FB6.2 Q13#4.4 Q13#4.7 Q14#3.1 Q14#3.2 Q14#3.5 Q14#3.6 Q14#3.8 U2#3.40
Board_2-/_{MB}A1': C35#2.2 D7#2.6 FB6.1 J2#4.3
Board_2-/_{MB}A2: C32#3.2 FB5.2 Q15#3.4 Q15#3.7 Q16#2.1 Q16#2.2 Q16#2.5 Q16#2.6 Q16#2.8 U2#3.37
Board_2-/_{MB}A2': C34#3.2 D7#2.3 FB5.1 J2#4.4
Board_2-/_{MB}B1: C29#3.2 FB8#3.2 Q9.4 Q9.7 Q10#4.1 Q10#4.2 Q10#4.5 Q10#4.6 Q10#4.8 U2#3.48
Board_2-/_{MB}B1': C37#2.2 D8#2.3 FB8#3.1 J2#4.1
Board_2-/_{MB}B2: C30#4.2 FB7#4.2 Q11#2.4 Q11#2.7 Q12#3.1 Q12#3.2 Q12#3.5 Q12#3.6 Q12#3.8 U2#3.45
Board_2-/_{MB}B2': C36#2.2 D8#2.6 FB7#4.1 J2#4.2
Board_2-/_{MB}Dir: T18#4.1 U2#3.18
Board_2-/_{MB}HA1: Q13#4.3 U2#3.41
Board_2-/_{MB}HA2: Q15#3.3 U2#3.36
Board_2-/_{MB}HB1: Q9.3 U2#3.1
Board_2-/_{MB}HB2: Q11#2.3 U2#3.44
Board_2-/_{MB}LA1: Q14#3.3 U2#3.39
Board_2-/_{MB}LA2: Q16#2.3 U2#3.38
Board_2-/_{MB}LB1: Q10#4.3 TP5#3.1 U2#3.47
Board_2-/_{MB}LB2: Q12#3.3 U2#3.46
Board_2-/_{MB}SRAH: C41#3.2 R19#3.2 U2#3.8
Board_2-/_{MB}SRAL: C41#3.1 R21#3.2 U2#3.7
Board_2-/_{MB}SRBH: C33.2 R14.2 U2#3.9
Board_2-/_{MB}SRBL: C33.1 R15#3.2 U2#3.10
Board_2-/_{MB}Stall: D6.1 T1.1 U2#3.27
Board_2-/_{MB}Step: T15#2.1 U2#3.17
Board_2-/_{MB}~{CS}: T2#4.1 U2#3.13
Board_2-/_{MB}~{En}: D5#3.1 R4#4.2 T19.1 U2#3.28
Board_2-/SCK: T4#3.1 U1#3.14 U2#3.14
Board_2-/SDI: T6#2.1 U1#3.15 U2#3.15
Board_2-/SDO: T7#3.1 U1#3.16 U2#3.16
Board_2-/THERM: C13.1 R20#2.1 T9#2.1 TH1.1
Board_2-GND: C3#4.1 C4#4.1 C5#2.1 C6.2 C7.2 C12.2 C13.2 C14#4.2 C15#3.2 C16#4.1 C17#2.1 C18#2.1 C19#4.1 C24#2.1 C25#4.1 C26#3.1 C27#3.2 C28#4.2 C34#3.1 C35#2.1 C36#2.1 C37#2.1 C38#4.2 C39#2.2 C40#4.2 C42#2.2 C43#2.2 C44#2.2 C45#3.2 C46#3.2 C47.2 C48#2.2 C49#4.2 C50.2 D3.1 D3.4 D4#2.1 D4#2.4 D7#2.1 D7#2.4 D8#2.1 D8#2.4 H2.1 NT2#4.2 NT4#4.1 NT6#2.2 NT8#2.1 R3#4.2 R5#3.2 R10#2.2 R13#3.2 R17#2.2 R18#4.2 T5#3.1 T12#4.1 T16#2.1 TH1.2 TP1#2.1 U1#3.6 U1#3.11 U1#3.19 U1#3.30 U1#3.49 U2#3.6 U2#3.11 U2#3.19 U2#3.30 U2#3.49
Board_2-Net-(D1-A): D1#3.2 R1.2
Board_2-Net-(D2-A): D2#2.2 R16#2.2
Board_2-Net-(D5-A): D5#3.2 R6#4.2
Board_2-Net-(D6-A): D6.2 R7#4.2
Board_2-Net-(NT1-Pad1): NT1.1 R8#3.1
Board_2-Net-(NT1-Pad2): NT1.2 Q2#2.4 Q2#2.7 Q4.4 Q4.7 R10#2.1
Board_2-Net-(NT2-Pad1): NT2#4.1 R9.1
Board_2-Net-(NT3-Pad1): NT3#3.1 Q6#2.4 Q6#2.7 Q8#4.4 Q8#4.7 R13#3.1
Board_2-Net-(NT3-Pad2): NT3#3.2 R11#4.1
Board_2-Net-(NT4-Pad2): NT4#4.2 R12#4.1
Board_2-Net-(NT5-Pad1): NT5#3.1 R14.1
Board_2-Net-(NT5-Pad2): NT5#3.2 Q10#4.4 Q10#4.7 Q12#3.4 Q12#3.7 R17#2.1
Board_2-Net-(NT6-Pad1): NT6#2.1 R15#3.1
Board_2-Net-(NT7-Pad1): NT7#3.1 Q14#3.4 Q14#3.7 Q16#2.4 Q16#2.7 R18#4.1
Board_2-Net-(NT7-Pad2): NT7#3.2 R19#3.1
Board_2-Net-(NT8-Pad2): NT8#2.2 R21#3.1
Board_2-Net-(U1-5VOUT): C4#4.2 C5#2.2 U1#3.5 U1#3.29
Board_2-Net-(U1-CA1): C10#4.1 U1#3.42
Board_2-Net-(U1-CA2): C11#3.1 U1#3.35
Board_2-Net-(U1-CB1): C8#2.1 U1#3.2
Board_2-Net-(U1-CB2): C9#4.1 U1#3.43
Board_2-Net-(U1-CLK): R3#4.1 U1#3.12
Board_2-Net-(U1-CPI): C2.2 U1#3.32
Board_2-Net-(U1-CPO): C2.1 U1#3.31
Board_2-Net-(U1-VCP): C1#2.1 U1#3.34
Board_2-Net-(U2-5VOUT): C24#2.2 C25#4.2 U2#3.5 U2#3.29
Board_2-Net-(U2-CA1): C31.1 U2#3.42
Board_2-Net-(U2-CA2): C32#3.1 U2#3.35
Board_2-Net-(U2-CB1): C29#3.1 U2#3.2
Board_2-Net-(U2-CB2): C30#4.1 U2#3.43
Board_2-Net-(U2-CLK): R5#3.1 U2#3.12
Board_2-Net-(U2-CPI): C23#2.2 U2#3.32
Board_2-Net-(U2-CPO): C23#2.1 U2#3.31
Board_2-Net-(U2-VCP): C22#3.1 U2#3.34
Board_2-unconnected-(U1-DCEN_CFG4-Pad23): U1#3.23
Board_2-unconnected-(U1-DCIN_CFG5-Pad24): U1#3.24
Board_2-unconnected-(U1-DCO_CFG6-Pad25): U1#3.25
Board_2-unconnected-(U1-DIAG0-Pad26): U1#3.26
Board_2-unconnected-(U2-DCEN_CFG4-Pad23): U2#3.23
Board_2-unconnected-(U2-DCIN_CFG5-Pad24): U2#3.24
Board_2-unconnected-(U2-DCO_CFG6-Pad25): U2#3.25
Board_2-unconnected-(U2-DIAG0-Pad26): U2#3.26
Board_2-VCC: C3#4.2 C26#3.2 R1.1 R2.1 R4#4.1 R6#4.1 R7#4.1 R16#2.1 R20#2.2 T8.1 U1#3.20 U1#3.21 U1#3.22 U2#3.20 U2#3.21 U2#3.22
Board_3-+12V: C6#3.1 C27.1 T3.1 U1.3 U1.4 U2.3 U2.4
Board_3-+48V: C1#3.2 C7#2.1 C12#4.1 C14#3.1 C15.1 C22#4.2 C28.1 C38#3.1 C39.1 C40#2.1 C42#3.1 C43#4.1 C44.1 C45#2.1 C46.1 C47#2.1 C48#3.1 C49#3.1 C50#3.1 D3#3.2 D3#3.5 D4#4.2 D4#4.5 D7#4.2 D7#4.5 D8#3.2 D8#3.5 H1.1 Q1#3.1 Q1#3.2 Q1#3.5 Q1#3.6 Q1#3.8 Q3#2.1 Q3#2.2 Q3#2.5 Q3#2.6 Q3#2.8 Q5#3.1 Q5#3.2 Q5#3.5 Q5#3.6 Q5#3.8 Q7#3.1 Q7#3.2 Q7#3.5 Q7#3.6 Q7#3.8 Q9#2.1 Q9#2.2 Q9#2.5 Q9#2.6 Q9#2.8 Q11#3.1 Q11#3.2 Q11#3.5 Q11#3.6 Q11#3.8 Q13.1 Q13.2 Q13.5 Q13.6 Q13.8 Q15.1 Q15.2 Q15.5 Q15.6 Q15.8 U1.33 U2.33
Board_3-/_{MA}A1: C10#2.2 FB2#3.2 Q5#3.4 Q5#3.7 Q6.1 Q6.2 Q6.5 Q6.6 Q6.8 U1.40
Board_3-/_{MA}A1': C17#4.2 D4#4.6 FB2#3.1 J1#4.3
Board_3-/_{MA}A2: C11#4.2 FB1.2 Q7#3.4 Q7#3.7 Q8#3.1 Q8#3.2 Q8#3.5 Q8#3.6 Q8#3.8 U1.37
Board_3-/_{MA}A2': C16#3.2 D4#4.3 FB1.1 J1#4.4
Board_3-/_{MA}B1: C8#4.2 FB4#2.2 Q1#3.4 Q1#3.7 Q2.1 Q2.2 Q2.5 Q2.6 Q2.8 U1.48
Board_3-/_{MA}B1': C19#2.2 D3#3.3 FB4#2.1 J1#4.1
Board_3-/_{MA}B2: C9#2.2 FB3#4.2 Q3#2.4 Q3#2.7 Q4#2.1 Q4#2.2 Q4#2.5 Q4#2.6 Q4#2.8 U1.45
Board_3-/_{MA}B2': C18.2 D3#3.6 FB3#4.1 J1#4.2
Board_3-/_{MA}Dir: T13#3.1 U1.18
Board_3-/_{MA}HA1: Q5#3.3 U1.41
Board_3-/_{MA}HA2: Q7#3.3 U1.36
Board_3-/_{MA}HB1: Q1#3.3 U1.1
Board_3-/_{MA}HB2: Q3#2.3 U1.44
Board_3-/_{MA}LA1: Q6.3 U1.39
Board_3-/_{MA}LA2: Q8#3.3 U1.38
Board_3-/_{MA}LB1: Q2.3 U1.47
Board_3-/_{MA}LB2: Q4#2.3 U1.46
Board_3-/_{MA}SRAH: C21#3.2 R11.2 U1.8
Board_3-/_{MA}SRAL: C21#3.1 R12#2.2 U1.7
Board_3-/_{MA}SRBH: C20#3.2 R8#4.2 U1.9
Board_3-/_{MA}SRBL: C20#3.1 R9#2.2 U1.10
Board_3-/_{MA}Stall: D2#4.1 T17#3.1 U1.27
Board_3-/_{MA}Step: T11#4.1 U1.17
Board_3-/_{MA}~{CS}: T10#3.1 U1.13
Board_3-/_{MA}~{En}: D1.1 R2#4.2 T14.1 U1.28
Board_3-/_{MB}A1: C31#2.2 FB6#2.2 Q13.4 Q13.7 Q14#4.1 Q14#4.2 Q14#4.5 Q14#4.6 Q14#4.8 U2.40
